# KiCad board mxm_immobilizer.kicad_pcb (continued)
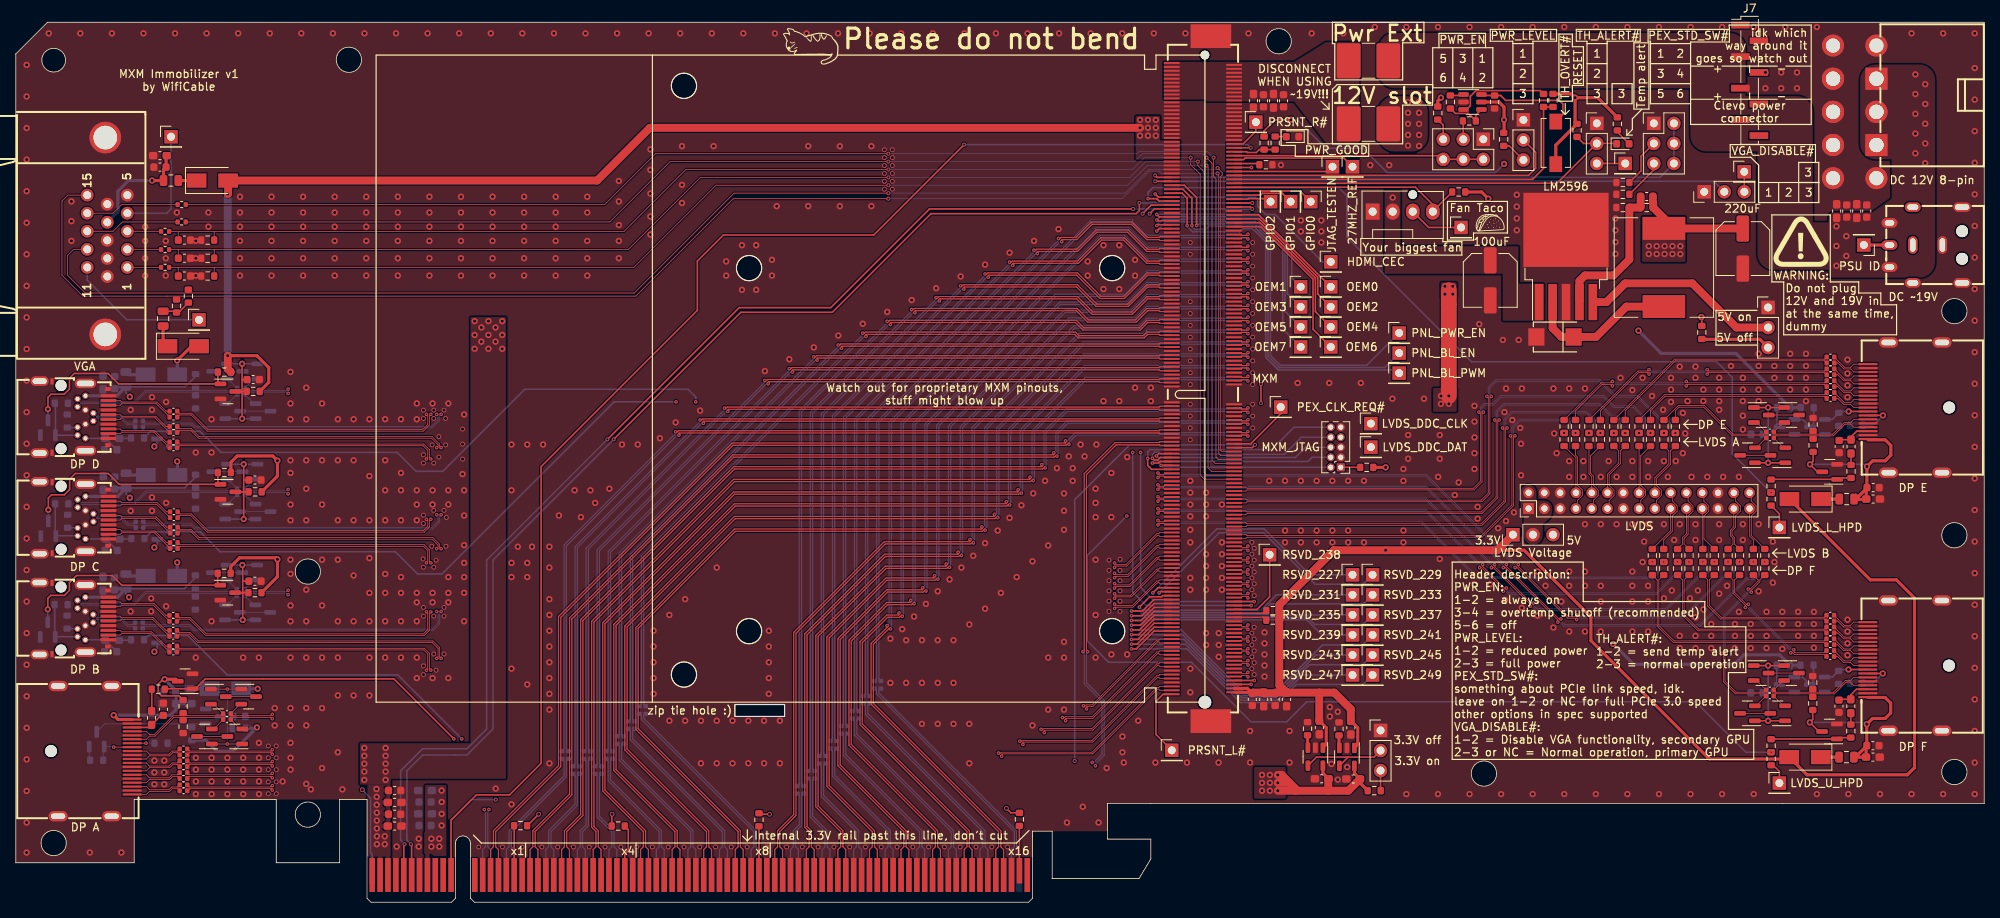
[diagram p0: board, top side]
## Routing (per net, layer and track width the routed paths; a pad name or vN(x,y) marks a point on that pad's centre or on a via; arc(x,y) is an arc through that point) (continued)
/C_RX0+: length 109.4
  Top w0.15: MXM1.147 144.95,59.85 144.84,59.74 83.94,59.74 83.8,59.61 v3(83.59,59.61)
  Bottom w0.15: C118.2 69.2,19.16 69.45,19.41 69.45,45.26 83.59,59.4 v3(83.59,59.61)
/C_RX0-: length 108.9
  Top w0.15: MXM1.149 144.95,59.35 144.84,59.45 84.06,59.45 84.01,59.4 v3(84.01,59.19)
  Bottom w0.15: v3(84.01,59.19) 83.8,59.19 69.74,45.14 69.74,19.41 70,19.16 C117.2
/C_RX1+: length 110.4
  Top w0.15: MXM1.141 144.95,61.35 144.84,61.24 87.04,61.24 86.9,61.11 v3(86.69,61.11)
  Bottom w0.15: v3(86.69,61.11) 86.69,60.9 70.86,45.06 70.86,17.51 70.6,17.26 C120.2
/C_RX1-: length 109.9
  Top w0.15: MXM1.143 144.95,60.85 144.84,60.95 87.16,60.95 87.11,60.9 v3(87.11,60.69)
  Bottom w0.15: C119.2 71.4,17.26 71.14,17.51 71.14,44.94 86.9,60.69 v3(87.11,60.69)
/C_RX2+: length 107.6
  Top w0.15: v3(89.79,62.61) 90,62.61 90.14,62.74 144.84,62.74 144.95,62.85 MXM1.135
  Bottom w0.15: C122.2 72,19.16 72.25,19.41 72.25,44.86 89.79,62.4 v3(89.79,62.61)
/C_RX2-: length 107.1
  Top w0.15: MXM1.137 144.95,62.35 144.84,62.45 90.26,62.45 90.21,62.4 v3(90.21,62.19)
  Bottom w0.15: v3(90.21,62.19) 90,62.19 72.55,44.74 72.55,19.41 72.8,19.16 C121.2
/C_RX3+: length 109.4
  Top w0.15: MXM1.121 144.95,66.35 144.84,66.24 95.24,66.24 95.1,66.11 v3(94.89,66.11)
  Bottom w0.15: C124.2 73.4,17.26 73.66,17.51 73.66,44.66 94.89,65.9 v3(94.89,66.11)
/C_RX3-: length 109
  Top w0.15: MXM1.123 144.95,65.85 144.84,65.95 95.36,65.95 95.31,65.9 v3(95.31,65.69)
  Bottom w0.15: C123.2 74.2,17.26 73.94,17.51 73.94,44.54 95.1,65.69 v3(95.31,65.69)
/C_RX4+: length 106.6
  Top w0.15: MXM1.115 144.95,67.85 144.84,67.74 98.34,67.74 98.2,67.61 v3(97.99,67.61)
  Bottom w0.15: C126.2 74.8,19.16 75.05,19.41 75.05,44.46 97.99,67.4 v3(97.99,67.61)
/C_RX4-: length 106.2
  Top w0.15: v3(98.41,67.19) 98.41,67.4 98.46,67.45 144.84,67.45 144.95,67.35 MXM1.117
  Bottom w0.15: v3(98.41,67.19) 98.2,67.19 75.34,44.34 75.34,19.41 75.6,19.16 C125.2
/C_RX5+: length 103.8
  Top w0.15: MXM1.109 144.95,69.35 144.84,69.24 101.44,69.24 101.3,69.11 v3(101.09,69.11)
  Bottom w0.15: v3(101.09,69.11) 101.09,68.9 76.45,44.26 76.45,21.31 76.2,21.06 C130.2
/C_RX5-: length 103.4
  Top w0.15: MXM1.111 144.95,68.85 144.84,68.95 101.56,68.95 101.51,68.9 v3(101.51,68.69)
  Bottom w0.15: C129.2 77,21.06 76.74,21.31 76.74,44.14 101.3,68.69 v3(101.51,68.69)
/C_RX6+: length 101.1
  Top w0.15: v3(104.19,70.61) 104.4,70.61 104.54,70.74 144.84,70.74 144.95,70.85 MXM1.103
  Bottom w0.15: v3(104.19,70.61) 104.19,70.4 102.35,68.55 77.86,44.06 77.86,23.21 77.6,22.96 C128.2
/C_RX6-: length 100.6
  Top w0.15: MXM1.105 144.95,70.35 144.84,70.45 104.66,70.45 104.61,70.4 v3(104.61,70.19)
  Bottom w0.15: C127.2 78.4,22.96 78.14,23.21 78.14,43.94 102.55,68.35 104.4,70.19 v3(104.61,70.19)
/C_RX7+: length 98.6
  Top w0.15: v3(107.29,72.11) 107.5,72.11 107.64,72.24 134.26,72.24 134.71,71.79 142.84,71.79 143.29,72.24 144.84,72.24 144.95,72.35 MXM1.97
  Bottom w0.15: v3(107.29,72.11) 107.29,71.9 79.25,43.86 79.25,25.11 79,24.86 C132.2
/C_RX7-: length 98.1
  Top w0.15: v3(107.71,71.69) 107.71,71.9 107.76,71.95 134.14,71.95 134.59,71.5 142.96,71.5 143.41,71.95 144.84,71.95 144.95,71.85 MXM1.99
  Bottom w0.15: v3(107.71,71.69) 107.5,71.69 104.9,69.1 79.55,43.74 79.55,25.11 79.8,24.86 C131.2
/C_RX8+: length 100.5
  Top w0.15: MXM1.91 144.95,73.85 144.84,73.74 143.29,73.74 142.34,72.79 135.31,72.79 134.36,73.74 110.74,73.74 110.6,73.61 v3(110.39,73.61)
  Bottom w0.15: C134.2 99,14.76 99.25,15.01 99.25,62.26 110.39,73.4 v3(110.39,73.61)
/C_RX8-: length 100.1
  Top w0.15: MXM1.93 144.95,73.35 144.84,73.45 143.41,73.45 142.46,72.5 135.19,72.5 134.24,73.45 110.86,73.45 110.81,73.4 v3(110.81,73.19)
  Bottom w0.15: C133.2 99.8,14.76 99.55,15.01 99.55,62.14 110.6,73.19 v3(110.81,73.19)
/C_RX9+: length 98.2
  Top w0.15: MXM1.85 144.95,75.35 144.84,75.24 143.29,75.24 141.84,73.79 135.91,73.79 134.46,75.24 113.84,75.24 113.7,75.11 v3(113.49,75.11)
  Bottom w0.15: C136.2 100.4,16.66 100.66,16.91 100.66,62.06 113.49,74.9 v3(113.49,75.11)
/C_RX9-: length 97.7
  Top w0.15: v3(113.91,74.69) 113.91,74.9 113.96,74.95 134.34,74.95 135.79,73.5 141.96,73.5 143.41,74.95 144.84,74.95 144.95,74.85 MXM1.87
  Bottom w0.15: v3(113.91,74.69) 113.7,74.69 100.94,61.94 100.94,16.91 101.2,16.66 C135.2
/C_RX10+: length 95.8
  Top w0.15: MXM1.79 144.95,76.85 144.84,76.74 143.29,76.74 141.34,74.79 136.46,74.79 134.51,76.74 116.94,76.74 116.8,76.61 v3(116.59,76.61)
  Bottom w0.15: C138.2 101.8,18.56 102.05,18.81 102.05,61.86 116.59,76.4 v3(116.59,76.61)
/C_RX10-: length 95.3
  Top w0.15: MXM1.81 144.95,76.35 144.84,76.45 143.41,76.45 141.46,74.5 136.34,74.5 134.39,76.45 117.06,76.45 117.01,76.4 v3(117.01,76.19)
  Bottom w0.15: C137.2 102.6,18.56 102.34,18.81 102.34,61.74 116.8,76.19 v3(117.01,76.19)
/C_RX11+: length 93.4
  Top w0.15: MXM1.73 144.95,78.35 144.84,78.24 143.29,78.24 140.84,75.79 136.96,75.79 134.51,78.24 120.04,78.24 119.9,78.11 v3(119.69,78.11)
  Bottom w0.15: v3(119.69,78.11) 119.69,77.9 103.45,61.66 103.45,20.71 103.2,20.46 C140.2
/C_RX11-: length 92.9
  Top w0.15: MXM1.75 144.95,77.85 144.84,77.95 143.41,77.95 140.96,75.5 136.84,75.5 134.39,77.95 120.16,77.95 120.11,77.9 v3(120.11,77.69)
  Bottom w0.15: v3(120.11,77.69) 119.9,77.69 103.74,61.54 103.74,20.71 104,20.46 C139.2
/C_RX12+: length 91
  Top w0.15: MXM1.67 144.95,79.85 144.84,79.74 143.29,79.74 140.34,76.79 137.46,76.79 134.51,79.74 123.14,79.74 123,79.61 v3(122.79,79.61)
  Bottom w0.15: C142.2 104.6,22.36 104.86,22.61 104.86,61.46 122.79,79.4 v3(122.79,79.61)
/C_RX12-: length 90.5
  Top w0.15: MXM1.69 144.95,79.35 144.84,79.45 143.41,79.45 140.46,76.5 137.34,76.5 134.39,79.45 123.26,79.45 123.21,79.4 v3(123.21,79.19)
  Bottom w0.15: v3(123.21,79.19) 123,79.19 121.85,78.05 105.14,61.34 105.14,22.61 105.4,22.36 C141.2
/C_RX13+: length 88.2
  Top w0.15: v3(125.89,81.11) 126.1,81.11 126.24,81.24 134.49,81.24 137.44,84.19 140.46,84.19 143.41,81.24 144.84,81.24 144.95,81.35 MXM1.61
  Bottom w0.15: C144.2 106,24.26 106.26,24.51 106.26,61.26 125.89,80.9 v3(125.89,81.11)
/C_RX13-: length 87.7
  Top w0.15: v3(126.31,80.69) 126.31,80.9 126.36,80.95 134.61,80.95 137.56,83.9 140.34,83.9 143.29,80.95 144.84,80.95 144.95,80.85 MXM1.63
  Bottom w0.15: v3(126.31,80.69) 126.1,80.69 124.7,79.3 106.55,61.14 106.55,24.51 106.8,24.26 C143.2
/C_RX14+: length 85
  Top w0.15: v3(128.99,82.61) 129.2,82.61 129.34,82.74 134.39,82.74 136.84,85.19 140.96,85.19 143.41,82.74 144.84,82.74 144.95,82.85 MXM1.55
  Bottom w0.15: v3(128.99,82.61) 128.99,82.4 107.65,61.06 107.65,26.41 107.4,26.16 C146.2
/C_RX14-: length 84.5
  Top w0.15: MXM1.57 144.95,82.35 144.84,82.45 143.29,82.45 140.84,84.9 136.96,84.9 134.51,82.45 129.46,82.45 129.41,82.4 v3(129.41,82.19)
  Bottom w0.15: v3(129.41,82.19) 129.2,82.19 107.95,60.94 107.95,26.41 108.2,26.16 C145.2
/C_RX15+: length 81.8
  Top w0.15: v3(132.09,84.11) 132.3,84.11 132.44,84.24 134.29,84.24 136.24,86.19 141.46,86.19 143.41,84.24 144.84,84.24 144.95,84.35 MXM1.49
  Bottom w0.15: v3(132.09,84.11) 132.09,83.9 109.05,60.86 109.05,28.31 108.8,28.06 C148.2
/C_RX15-: length 81.3
  Top w0.15: MXM1.51 144.95,83.85 144.84,83.95 143.29,83.95 141.34,85.9 136.36,85.9 134.41,83.95 132.56,83.95 132.51,83.9 v3(132.51,83.69)
  Bottom w0.15: C147.2 109.6,28.06 109.34,28.31 109.34,60.74 132.3,83.69 v3(132.51,83.69)
/DP_A_C_AUX+: length 14.7
  Top w0.1: Q16.2 25.07,21.95 C57.2 26,23.42 20.02,23.42 17.64,21.04 16.94,21.04 16.54,20.65 DP_A1.15
/DP_A_C_AUX-: length 14.8
  Top w0.1: Q15.2 25.07,25.1 C56.2 26,23.63 19.93,23.63 17.56,21.25 16.94,21.25 16.54,21.65 DP_A1.17
/DP_A_C_L0+: length 6.4
  Top w0.1: DP_A1.1 16.54,13.65 16.94,14.04 19.49,14.04 19.84,14.39 20.5,14.39 C43.2
/DP_A_C_L0-: length 6.4
  Top w0.1: C42.2 20.5,14.6 19.75,14.6 19.4,14.25 16.94,14.25 16.54,14.65 DP_A1.3
/DP_A_C_L1+: length 6.5
  Top w0.1: DP_A1.4 16.54,15.15 16.94,15.54 19.49,15.54 19.89,15.94 20.5,15.94 C41.2
/DP_A_C_L1-: length 6.5
  Top w0.1: C40.2 20.5,16.15 19.8,16.15 19.4,15.75 16.94,15.75 16.54,16.15 DP_A1.6
/DP_A_C_L2+: length 6.5
  Top w0.1: DP_A1.7 16.54,16.65 16.94,17.04 19.49,17.04 19.89,17.44 20.5,17.44 C39.2
/DP_A_C_L2-: length 6.5
  Top w0.1: DP_A1.9 16.54,17.65 16.94,17.25 19.4,17.25 19.8,17.65 20.5,17.65 C38.2
/DP_A_C_L3+: length 6.5
  Top w0.1: DP_A1.10 16.54,18.15 16.94,18.54 19.49,18.54 19.89,18.94 20.5,18.94 C37.2
/DP_A_C_L3-: length 6.5
  Top w0.1: C36.2 20.5,19.15 19.8,19.15 19.4,18.75 16.94,18.75 16.54,19.15 DP_A1.12
/DP_B_C_AUX+: length 23.1
  Bottom w0.1: Q14.2 26.81,37.67 C55.2 27.74,39.14 16.49,39.14 14.99,37.64 8.21,37.64 mDP_B1.16
/DP_B_C_AUX-: length 22.9
  Bottom w0.1: mDP_B1.18 8.21,37.85 14.91,37.85 16.41,39.35 27.74,39.35 C54.2 26.81,40.82 Q13.2
/DP_B_C_L0+: length 5.9
  Bottom w0.1: C29.2 14.85,35.18 14.22,35.18 13.34,36.05 10.21,36.05 mDP_B1.12
/DP_B_C_L0-: length 5.9
  Bottom w0.1: mDP_B1.10 10.21,35.84 13.26,35.84 14.13,34.97 14.85,34.97 C31.2
/DP_B_C_L1+: length 8.4
  Top w0.1: C27.2 19.02,36.35 17.51,37.85 13.42,37.85 13.23,38.05 mDP_B1.17
/DP_B_C_L1-: length 8.7
  Top w0.1: mDP_B1.15 13.23,37.45 13.42,37.64 17.43,37.64 C28.2
/DP_B_C_L2+: length 8.5
  Top w0.1: C30.2 19.02,34.45 17.41,36.05 13.42,36.05 13.23,36.25 mDP_B1.11
/DP_B_C_L2-: length 8.7
  Top w0.1: C32.2 17.32,35.84 13.42,35.84 13.23,35.65 mDP_B1.9
/DP_B_C_L3+: length 8.6
  Top w0.1: mDP_B1.5 13.23,34.45 13.42,34.25 17.21,34.25 19.02,32.45 C33.2
/DP_B_C_L3-: length 8.8
  Top w0.1: mDP_B1.3 13.23,33.85 13.42,34.04 17.13,34.04 C34.2
/DP_C_C_AUX+: length 23.1
  Bottom w0.1: Q12.2 26.85,50.45 C53.2 27.78,51.92 16.57,51.92 15.07,50.42 8.23,50.42 7.83,50.02
/DP_C_C_AUX-: length 22.9
  Bottom w0.1: 7.83,51.02 8.23,50.63 14.98,50.63 16.48,52.13 27.78,52.13 C52.2 26.85,53.6 Q11.2
/DP_C_C_L0+: length 6
  Bottom w0.1: 9.83,49.22 10.23,48.83 13.37,48.83 14.24,47.95 14.93,47.95 C20.2
/DP_C_C_L0-: length 6
  Bottom w0.1: C22.2 14.93,47.74 14.16,47.74 13.28,48.62 10.23,48.62 9.83,48.22
/DP_C_C_L1+: length 8.4
  Top w0.1: C18.2 19.09,49.47 17.94,50.63 13.44,50.63 13.25,50.82 mDP_C1.17
/DP_C_C_L1-: length 8.6
  Top w0.1: mDP_C1.15 13.25,50.22 13.44,50.42 17.85,50.42 C19.2
/DP_C_C_L2+: length 8.4
  Top w0.1: mDP_C1.11 13.25,49.02 13.44,48.83 17.79,48.83 19.09,47.52 C21.2
/DP_C_C_L2-: length 8.6
  Top w0.1: C23.2 17.7,48.62 13.44,48.62 13.25,48.42 mDP_C1.9
/DP_C_C_L3+: length 8.5
  Top w0.1: mDP_C1.5 13.25,47.22 13.44,47.03 17.64,47.03 19.09,45.57 C24.2
/DP_C_C_L3-: length 8.7
  Top w0.1: C25.2 17.55,46.82 13.44,46.82 13.25,46.62 mDP_C1.3
/DP_D_C_AUX+: length 23.1
  Bottom w0.1: Q10.2 26.85,63.17 C51.2 27.78,64.64 16.49,64.64 15.02,63.17 8.22,63.17 mDP_D1.16
/DP_D_C_AUX-: length 22.9
  Bottom w0.1: mDP_D1.18 8.22,63.38 14.93,63.38 16.41,64.85 27.78,64.85 C50.2 26.85,66.32 Q9.2
/DP_D_C_L0+: length 6
  Bottom w0.1: C11.2 14.88,60.7 14.19,60.7 13.32,61.58 10.22,61.58 mDP_D1.12
/DP_D_C_L0-: length 6
  Bottom w0.1: C13.2 14.88,60.49 14.11,60.49 13.23,61.37 10.22,61.37 mDP_D1.10
/DP_D_C_L1+: length 8.3
  Top w0.1: C9.2 19.04,62.22 17.89,63.38 13.43,63.38 13.24,63.57 mDP_D1.17
/DP_D_C_L1-: length 8.5
  Top w0.1: C10.2 17.8,63.17 13.43,63.17 13.24,62.97 mDP_D1.15
/DP_D_C_L2+: length 8.4
  Top w0.1: mDP_D1.11 13.24,61.77 13.43,61.58 17.74,61.58 19.04,60.27 C12.2
/DP_D_C_L2-: length 8.6
  Top w0.1: C14.2 17.65,61.37 13.43,61.37 13.24,61.17 mDP_D1.9
/DP_D_C_L3+: length 8.4
  Top w0.1: C15.2 19.04,58.32 17.59,59.78 13.43,59.78 13.24,59.97 mDP_D1.5
/DP_D_C_L3-: length 8.7
  Top w0.1: C16.2 17.5,59.57 13.43,59.57 13.24,59.37 11.74,59.37
/DP_E_C_AUX+: length 14.7
  Top w0.1: 224.05,60.78 223.92,60.78 C88.2 222.99,59.31 230.18,59.31 231.66,60.79 232.47,60.79 232.86,61.18 DP_E1.15
/DP_E_C_AUX-: length 14.8
  Top w0.1: DP_E1.17 232.86,60.18 232.47,60.58 231.74,60.58 230.27,59.1 222.99,59.1 C89.2 223.97,57.58 Q30.2
/DP_E_C_L0+: length 5
  Top w0.1: C96.2 231.68,67.79 232.47,67.79 232.86,68.18 DP_E1.1
/DP_E_C_L0-: length 4.8
  Top w0.1: DP_E1.3 232.86,67.18 232.47,67.58 231.59,67.58 230.84,68.33 C97.2
/DP_E_C_L1+: length 5
  Top w0.1: C98.2 231.68,66.29 232.47,66.29 232.86,66.68 DP_E1.4
/DP_E_C_L1-: length 4.8
  Top w0.1: C99.2 230.84,66.83 231.59,66.08 232.47,66.08 232.86,65.68 DP_E1.6
/DP_E_C_L2+: length 5
  Top w0.1: C100.2 231.68,64.79 232.47,64.79 232.86,65.18 DP_E1.7
/DP_E_C_L2-: length 4.8
  Top w0.1: DP_E1.9 232.86,64.18 232.47,64.58 231.59,64.58 230.84,65.33 C101.2
/DP_E_C_L3+: length 5
  Top w0.1: DP_E1.10 232.86,63.68 232.47,63.29 231.68,63.29 C102.2
/DP_E_C_L3-: length 4.8
  Top w0.1: C103.2 230.84,63.83 231.59,63.08 232.47,63.08 232.86,62.68 DP_E1.12
/DP_F_C_AUX+: length 14.7
  Top w0.1: DP_F1.15 232.84,28.49 232.44,28.09 231.79,28.09 230.31,26.62 222.97,26.62 C90.2 223.9,28.09 Q31.2
/DP_F_C_AUX-: length 14.8
  Top w0.1: Q32.2 223.95,24.89 C91.2 222.97,26.41 230.4,26.41 231.87,27.88 232.44,27.88 232.84,27.49 DP_F1.17
/DP_F_C_L0+: length 5
  Top w0.1: DP_F1.1 232.84,35.49 232.44,35.09 231.65,35.09 C104.2
/DP_F_C_L0-: length 4.7
  Top w0.1: C105.2 230.81,35.63 231.56,34.88 232.44,34.88 232.84,34.49 DP_F1.3
/DP_F_C_L1+: length 5
  Top w0.1: DP_F1.4 232.84,33.99 232.44,33.59 231.65,33.59 C106.2
/DP_F_C_L1-: length 4.7
  Top w0.1: DP_F1.6 232.84,32.99 232.44,33.38 231.56,33.38 230.81,34.13 C107.2
/DP_F_C_L2+: length 5
  Top w0.1: DP_F1.7 232.84,32.49 232.44,32.09 231.65,32.09 C108.2
/DP_F_C_L2-: length 4.8
  Top w0.1: C109.2 230.8,32.64 231.56,31.88 232.44,31.88 232.84,31.49 DP_F1.9
/DP_F_C_L3+: length 5
  Top w0.1: DP_F1.10 232.84,30.99 232.44,30.59 231.66,30.59 C110.2
/DP_F_C_L3-: length 4.8
  Top w0.1: C111.2 230.81,31.14 231.57,30.38 232.44,30.38 232.84,29.99 DP_F1.12
/RX0+: length 17.9
  Bottom w0.15: PCIe_x16_1.A16 62.15,6.68 62.5,7.03 62.5,9.06 69.45,16.01 69.45,17.88 69.2,18.14 C118.1
/RX0-: length 17.9
  Bottom w0.15: PCIe_x16_1.A17 63.15,6.68 62.8,7.03 62.8,8.94 69.74,15.89 69.74,17.88 70,18.14 C117.1
/RX1+: length 14.5
  Bottom w0.15: PCIe_x16_1.A21 67.15,6.68 67.5,7.03 67.5,9.06 70.86,12.41 70.86,15.98 70.6,16.24 C120.1
/RX1-: length 14.5
  Bottom w0.15: C119.1 71.4,16.24 71.14,15.98 71.14,12.29 67.8,8.94 67.8,7.03 68.15,6.68 PCIe_x16_1.A22
/RX2+: length 15.3
  Bottom w0.15: PCIe_x16_1.A25 71.15,6.68 71.5,7.03 71.5,9.06 72.25,9.81 72.25,17.88 72,18.14 C122.1
/RX2-: length 15.3
  Bottom w0.15: C121.1 72.8,18.14 72.55,17.88 72.55,9.69 71.8,8.94 71.8,7.03 72.15,6.68 PCIe_x16_1.A26
/RX3+: length 13.8
  Bottom w0.15: PCIe_x16_1.A29 75.15,6.68 75.5,7.03 75.5,8.94 73.66,10.79 73.66,15.98 73.4,16.24 C124.1
/RX3-: length 13.8
  Bottom w0.15: PCIe_x16_1.A30 76.15,6.68 75.8,7.03 75.8,9.06 73.94,10.91 73.94,15.98 74.2,16.24 C123.1
/RX4+: length 17.6
  Bottom w0.15: C126.1 74.8,18.14 75.05,17.88 75.05,15.39 81.5,8.94 81.5,7.03 81.15,6.68 PCIe_x16_1.A35
/RX4-: length 17.6
  Bottom w0.15: PCIe_x16_1.A36 82.15,6.68 81.8,7.03 81.8,9.06 75.34,15.51 75.34,17.88 75.6,18.14 C125.1
/RX5+: length 20.6
  Bottom w0.15: PCIe_x16_1.A39 85.15,6.68 85.5,7.03 85.5,8.94 76.45,17.99 76.45,19.78 76.2,20.04 C130.1
/RX5-: length 20.6
  Bottom w0.15: C129.1 77,20.04 76.74,19.78 76.74,18.11 85.8,9.06 85.8,7.03 86.15,6.68 PCIe_x16_1.A40
/RX6+: length 23.6
  Bottom w0.15: C128.1 77.6,21.94 77.86,21.68 77.86,20.59 89.5,8.94 89.5,7.03 89.15,6.68 PCIe_x16_1.A43
/RX6-: length 23.6
  Bottom w0.15: C127.1 78.4,21.94 78.14,21.68 78.14,20.71 89.8,9.06 89.8,7.03 90.15,6.68 PCIe_x16_1.A44
/RX7+: length 26.6
  Bottom w0.15: PCIe_x16_1.A47 93.15,6.68 93.5,7.03 93.5,8.94 79.25,23.19 79.25,23.58 79,23.84 C132.1
/RX7-: length 26.6
  Bottom w0.15: PCIe_x16_1.A48 94.15,6.68 93.8,7.03 93.8,9.06 79.55,23.31 79.55,23.58 79.8,23.84 C131.1
/RX8+: length 10.9
  Bottom w0.15: C134.1 99,13.74 99.25,13.48 99.25,9.81 98.5,9.06 98.5,7.03 98.15,6.68 PCIe_x16_1.A52
/RX8-: length 10.9
  Bottom w0.15: C133.1 99.8,13.74 99.55,13.48 99.55,9.69 98.8,8.94 98.8,7.03 99.15,6.68 PCIe_x16_1.A53
/RX9+: length 13.2
  Bottom w0.15: C136.1 100.4,15.64 100.66,15.38 100.66,10.79 102.51,8.94 102.51,7.03 102.15,6.68 PCIe_x16_1.A56
/RX9-: length 13.2
  Bottom w0.15: PCIe_x16_1.A57 103.15,6.68 102.8,7.03 102.8,9.06 100.94,10.91 100.94,15.38 101.2,15.64 C135.1
/RX10+: length 16.2
  Bottom w0.15: PCIe_x16_1.A60 106.15,6.68 106.51,7.03 106.51,8.94 102.05,13.39 102.05,17.28 101.8,17.54 C138.1
/RX10-: length 16.2
  Bottom w0.15: PCIe_x16_1.A61 107.15,6.68 106.8,7.03 106.8,9.06 102.34,13.51 102.34,17.28 102.6,17.54 C137.1
/RX11+: length 19.2
  Bottom w0.15: PCIe_x16_1.A64 110.15,6.68 110.51,7.03 110.51,8.94 103.45,15.99 103.45,19.18 103.2,19.44 C140.1
/RX11-: length 19.2
  Bottom w0.15: C139.1 104,19.44 103.74,19.18 103.74,16.11 110.8,9.06 110.8,7.03 111.15,6.68 PCIe_x16_1.A65
/RX12+: length 22.2
  Bottom w0.15: PCIe_x16_1.A68 114.15,6.68 114.51,7.03 114.51,8.94 104.86,18.59 104.86,21.08 104.6,21.34 C142.1
/RX12-: length 22.2
  Bottom w0.15: C141.1 105.4,21.34 105.14,21.08 105.14,18.71 114.8,9.06 114.8,7.03 115.15,6.68 PCIe_x16_1.A69
/RX13+: length 25.1
  Bottom w0.15: C144.1 106,23.24 106.26,22.98 106.26,21.19 118.51,8.94 118.51,7.03 118.15,6.68 PCIe_x16_1.A72
/RX13-: length 25.1
  Bottom w0.15: C143.1 106.8,23.24 106.55,22.98 106.55,21.31 118.8,9.06 118.8,7.03 119.15,6.68 PCIe_x16_1.A73
/RX14+: length 28.1
  Bottom w0.15: C146.1 107.4,25.14 107.65,24.88 107.65,23.79 122.51,8.94 122.51,7.03 122.15,6.68 PCIe_x16_1.A76
/RX14-: length 28.1
  Bottom w0.15: C145.1 108.2,25.14 107.95,24.88 107.95,23.91 122.8,9.06 122.8,7.03 123.15,6.68 PCIe_x16_1.A77
/RX15+: length 31.1
  Bottom w0.15: PCIe_x16_1.A80 126.15,6.68 126.51,7.03 126.51,8.94 109.05,26.39 109.05,26.78 108.8,27.04 C148.1
/RX15-: length 31.1
  Bottom w0.15: C147.1 109.6,27.04 109.34,26.78 109.34,26.51 126.8,9.06 126.8,7.03 127.15,6.68 PCIe_x16_1.A81
/TX0+: length 135.4
  Top w0.15: MXM1.148 155.23,59.6 155.33,59.49 155.95,59.49 v3(156.1,59.64) ; PCIe_x16_1.B14 60.15,6.68 60.5,7.03 60.5,9.06 68.75,17.31 68.75,36.21 90.74,58.19 132.94,58.19 132.99,58.24 v3(132.99,58.45)
  Bottom w0.15: v3(132.99,58.45) 133.2,58.45 134.24,59.49 155.95,59.49 v3(156.1,59.64)
/TX0-: length 134.9
  Top w0.15: v3(156.1,59.05) 155.95,59.2 155.33,59.2 155.23,59.1 MXM1.150 ; v3(133.41,58.04) 133.2,58.04 133.06,57.9 90.86,57.9 69.05,36.08 69.05,17.19 60.8,8.94 60.8,7.03 61.15,6.68 PCIe_x16_1.B15
  Bottom w0.15: v3(156.1,59.05) 155.95,59.2 134.37,59.2 133.41,58.25 v3(133.41,58.04)
/TX1+: length 134.5
  Top w0.15: MXM1.142 155.23,61.1 155.33,60.99 155.95,60.99 v3(156.1,61.14) ; v3(131.49,56.95) 131.49,56.74 131.44,56.69 90.84,56.69 70.16,36.01 70.16,13.71 65.5,9.06 65.5,7.03 65.15,6.68 PCIe_x16_1.B19
  Bottom w0.15: v3(131.49,56.95) 131.7,56.95 131.76,57.01 131.76,59.56 133.19,60.99 155.95,60.99 v3(156.1,61.14)
/TX1-: length 134
  Top w0.15: v3(131.91,56.54) 131.7,56.54 131.56,56.4 90.96,56.4 70.44,35.88 70.44,13.59 65.8,8.94 65.8,7.03 66.15,6.68 PCIe_x16_1.B20 ; v3(156.1,60.55) 155.95,60.7 155.33,60.7 155.23,60.6 MXM1.144
  Bottom w0.15: v3(156.1,60.55) 155.95,60.7 133.31,60.7 132.05,59.44 132.05,56.88 131.91,56.75 v3(131.91,56.54)
/TX2+: length 133.4
  Top w0.15: MXM1.136 155.23,62.6 155.33,62.49 155.95,62.49 v3(156.1,62.64) ; PCIe_x16_1.B23 69.15,6.68 69.5,7.03 69.5,9.06 71.55,11.11 71.55,35.81 90.94,55.19 129.94,55.19 129.99,55.24 v3(129.99,55.45)
  Bottom w0.15: v3(129.99,55.45) 130.2,55.45 130.26,55.51 130.26,59.66 133.09,62.49 155.95,62.49 v3(156.1,62.64)
/TX2-: length 132.9
  Top w0.15: v3(130.41,55.04) 130.2,55.04 130.06,54.9 91.06,54.9 71.84,35.68 71.84,10.99 69.8,8.94 69.8,7.03 70.15,6.68 PCIe_x16_1.B24 ; v3(156.1,62.05) 155.95,62.2 155.33,62.2 155.23,62.1 MXM1.138
  Bottom w0.15: v3(130.41,55.04) 130.41,55.25 130.55,55.38 130.55,59.54 133.21,62.2 155.95,62.2 v3(156.1,62.05)
/TX3+: length 133.9
  Top w0.15: MXM1.120 155.23,66.6 155.33,66.49 155.95,66.49 v3(156.1,66.64) ; v3(128.49,53.85) 128.49,53.64 128.44,53.59 90.94,53.59 72.95,35.61 72.95,9.49 73.5,8.94 73.5,7.03 73.15,6.68 PCIe_x16_1.B27
  Bottom w0.15: v3(128.49,53.85) 128.7,53.85 128.76,53.91 128.76,59.76 135.49,66.49 155.95,66.49 v3(156.1,66.64)
/TX3-: length 133.5
  Top w0.15: PCIe_x16_1.B28 74.15,6.68 73.8,7.03 73.8,9.06 73.24,9.61 73.24,35.48 91.06,53.3 128.56,53.3 128.7,53.44 v3(128.91,53.44) ; v3(156.1,66.05) 155.95,66.2 155.33,66.2 155.23,66.1 MXM1.122
  Bottom w0.15: v3(128.91,53.44) 128.91,53.65 129.05,53.78 129.05,59.64 135.61,66.2 155.95,66.2 v3(156.1,66.05)
/TX4+: length 135.9
  Top w0.15: PCIe_x16_1.B33 79.15,6.68 79.5,7.03 79.5,8.94 74.36,14.09 74.36,35.41 90.94,51.99 126.94,51.99 126.99,52.04 v3(126.99,52.25) ; v3(156.1,68.14) 155.95,67.99 155.33,67.99 155.23,68.1 MXM1.114
  Bottom w0.15: v3(156.1,68.14) 155.95,67.99 135.39,67.99 127.26,59.86 127.26,52.31 127.2,52.25 v3(126.99,52.25)
/TX4-: length 135.5
  Top w0.15: v3(156.1,67.55) 155.95,67.7 155.33,67.7 155.23,67.6 MXM1.116 ; v3(127.41,51.84) 127.2,51.84 127.06,51.7 91.06,51.7 74.64,35.28 74.64,14.21 79.8,9.06 79.8,7.03 80.15,6.68 PCIe_x16_1.B34
  Bottom w0.15: v3(127.41,51.84) 127.41,52.05 127.55,52.18 127.55,59.74 135.51,67.7 155.95,67.7 v3(156.1,67.55)
/TX5+: length 137.1
  Top w0.15: MXM1.108 155.23,69.6 155.33,69.49 155.95,69.49 v3(156.1,69.64) ; v3(125.49,50.75) 125.49,50.54 125.44,50.49 91.04,50.49 75.75,35.21 75.75,16.69 83.5,8.94 83.5,7.03 83.15,6.68 PCIe_x16_1.B37
  Bottom w0.15: v3(125.49,50.75) 125.7,50.75 125.76,50.81 125.76,59.96 135.29,69.49 155.95,69.49 v3(156.1,69.64)
/TX5-: length 136.6
  Top w0.15: v3(156.1,69.05) 155.95,69.2 155.33,69.2 155.23,69.1 MXM1.110 ; v3(125.91,50.34) 125.7,50.34 125.56,50.2 91.16,50.2 76.05,35.08 76.05,16.81 83.8,9.06 83.8,7.03 84.15,6.68 PCIe_x16_1.B38
  Bottom w0.15: v3(156.1,69.05) 155.95,69.2 135.41,69.2 126.05,59.84 126.05,50.68 125.91,50.55 v3(125.91,50.34)
/TX6+: length 138.2
  Top w0.15: v3(156.1,71.14) 155.95,70.99 155.33,70.99 155.23,71.1 MXM1.102 ; PCIe_x16_1.B41 87.15,6.68 87.5,7.03 87.5,8.94 77.16,19.29 77.16,35.01 91.04,48.89 123.94,48.89 123.99,48.94 v3(123.99,49.15)
  Bottom w0.15: v3(156.1,71.14) 155.95,70.99 135.19,70.99 124.26,60.06 124.26,49.21 124.2,49.15 v3(123.99,49.15)
/TX6-: length 137.8
  Top w0.15: PCIe_x16_1.B42 88.15,6.68 87.8,7.03 87.8,9.06 77.44,19.41 77.44,34.88 91.16,48.6 124.06,48.6 124.2,48.74 v3(124.41,48.74) ; MXM1.104 155.23,70.6 155.33,70.7 155.95,70.7 v3(156.1,70.55)
  Bottom w0.15: v3(156.1,70.55) 155.95,70.7 135.31,70.7 124.55,59.94 124.55,49.08 124.41,48.95 v3(124.41,48.74)
/TX7+: length 139.4
  Top w0.15: v3(156.1,72.64) 155.95,72.49 155.33,72.49 155.23,72.6 MXM1.96 ; PCIe_x16_1.B45 91.15,6.68 91.5,7.03 91.5,8.94 78.55,21.89 78.55,34.81 91.04,47.29 122.34,47.29 122.39,47.34 v3(122.39,47.55)
  Bottom w0.15: v3(122.39,47.55) 122.6,47.55 122.76,47.71 122.76,60.16 134.64,72.04 142.84,72.04 143.29,72.49 155.95,72.49 v3(156.1,72.64)
